# KiCad board GMWM Analysis Board.kicad_pcb
title: GMWM Analysis Board; date: 2026-07-16; rev: 2; company: James Rhodes
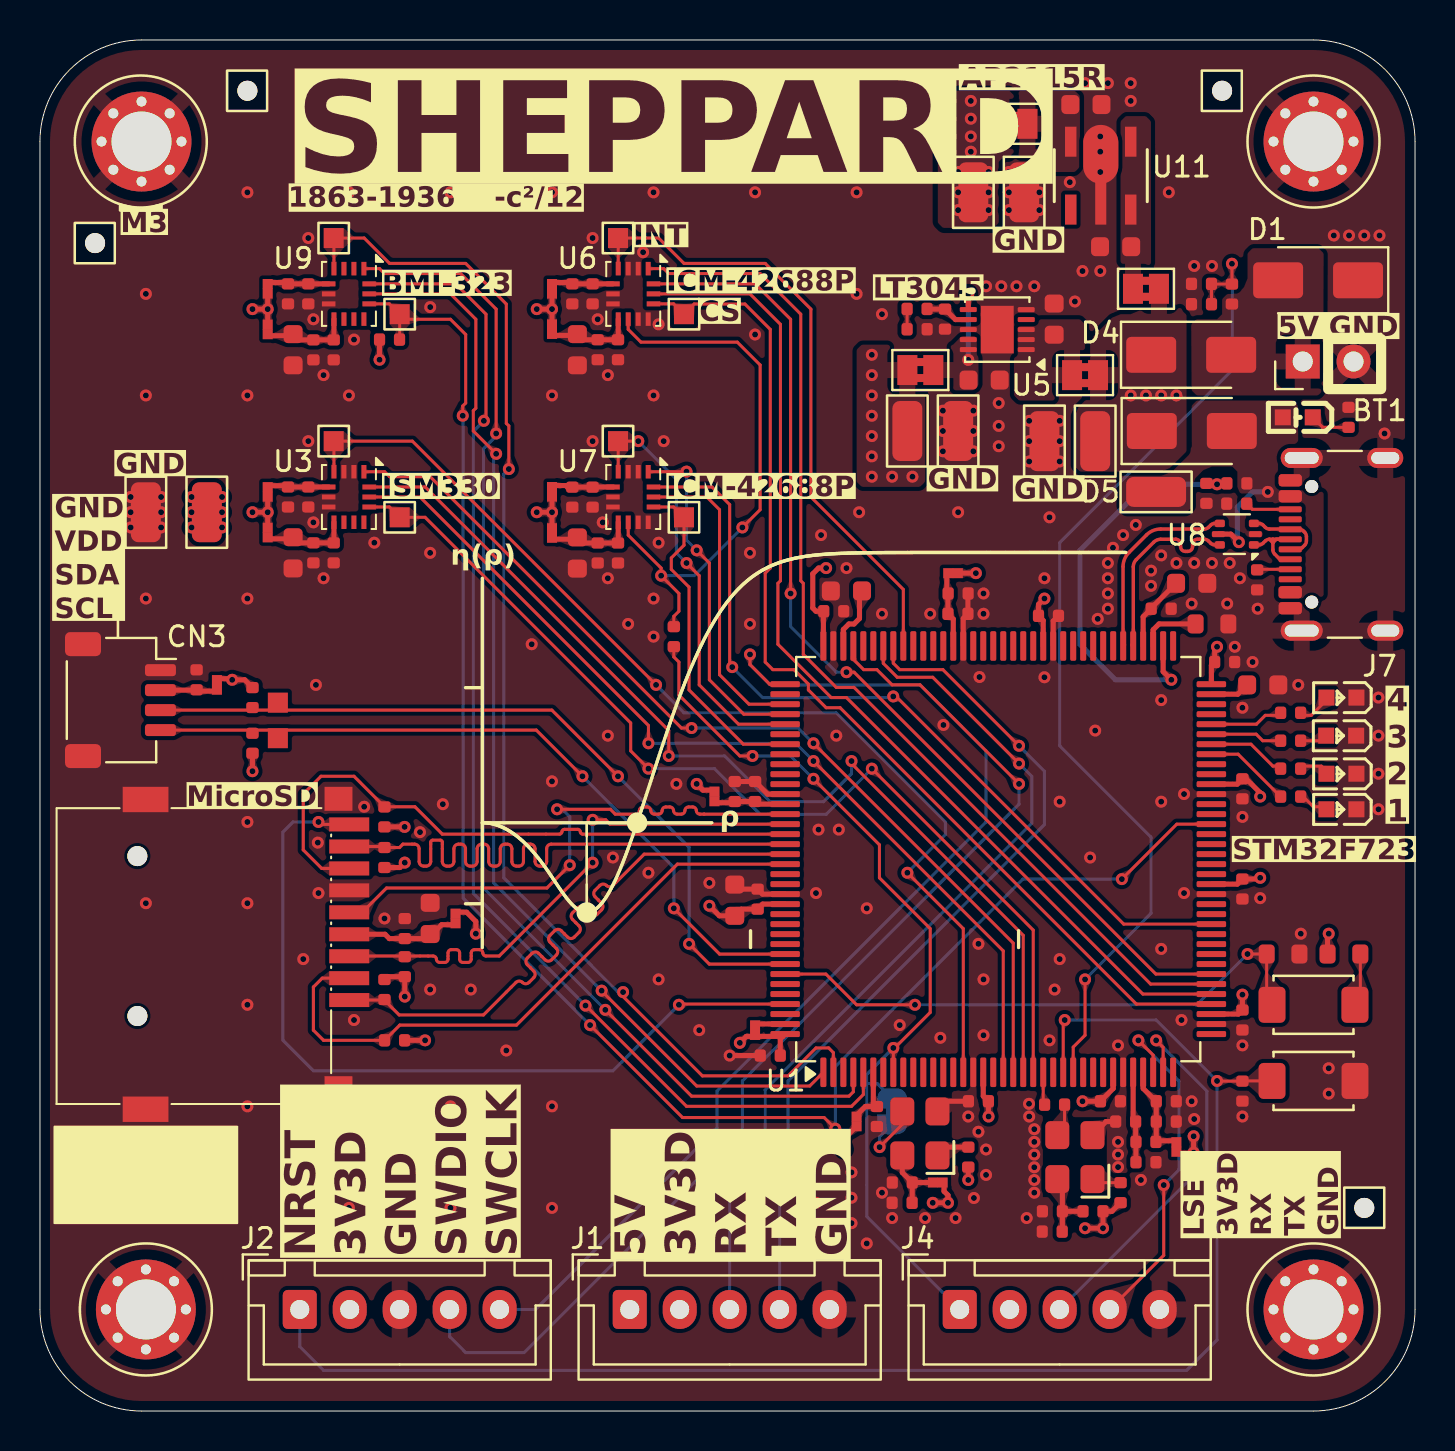
[diagram p0: board, top side]
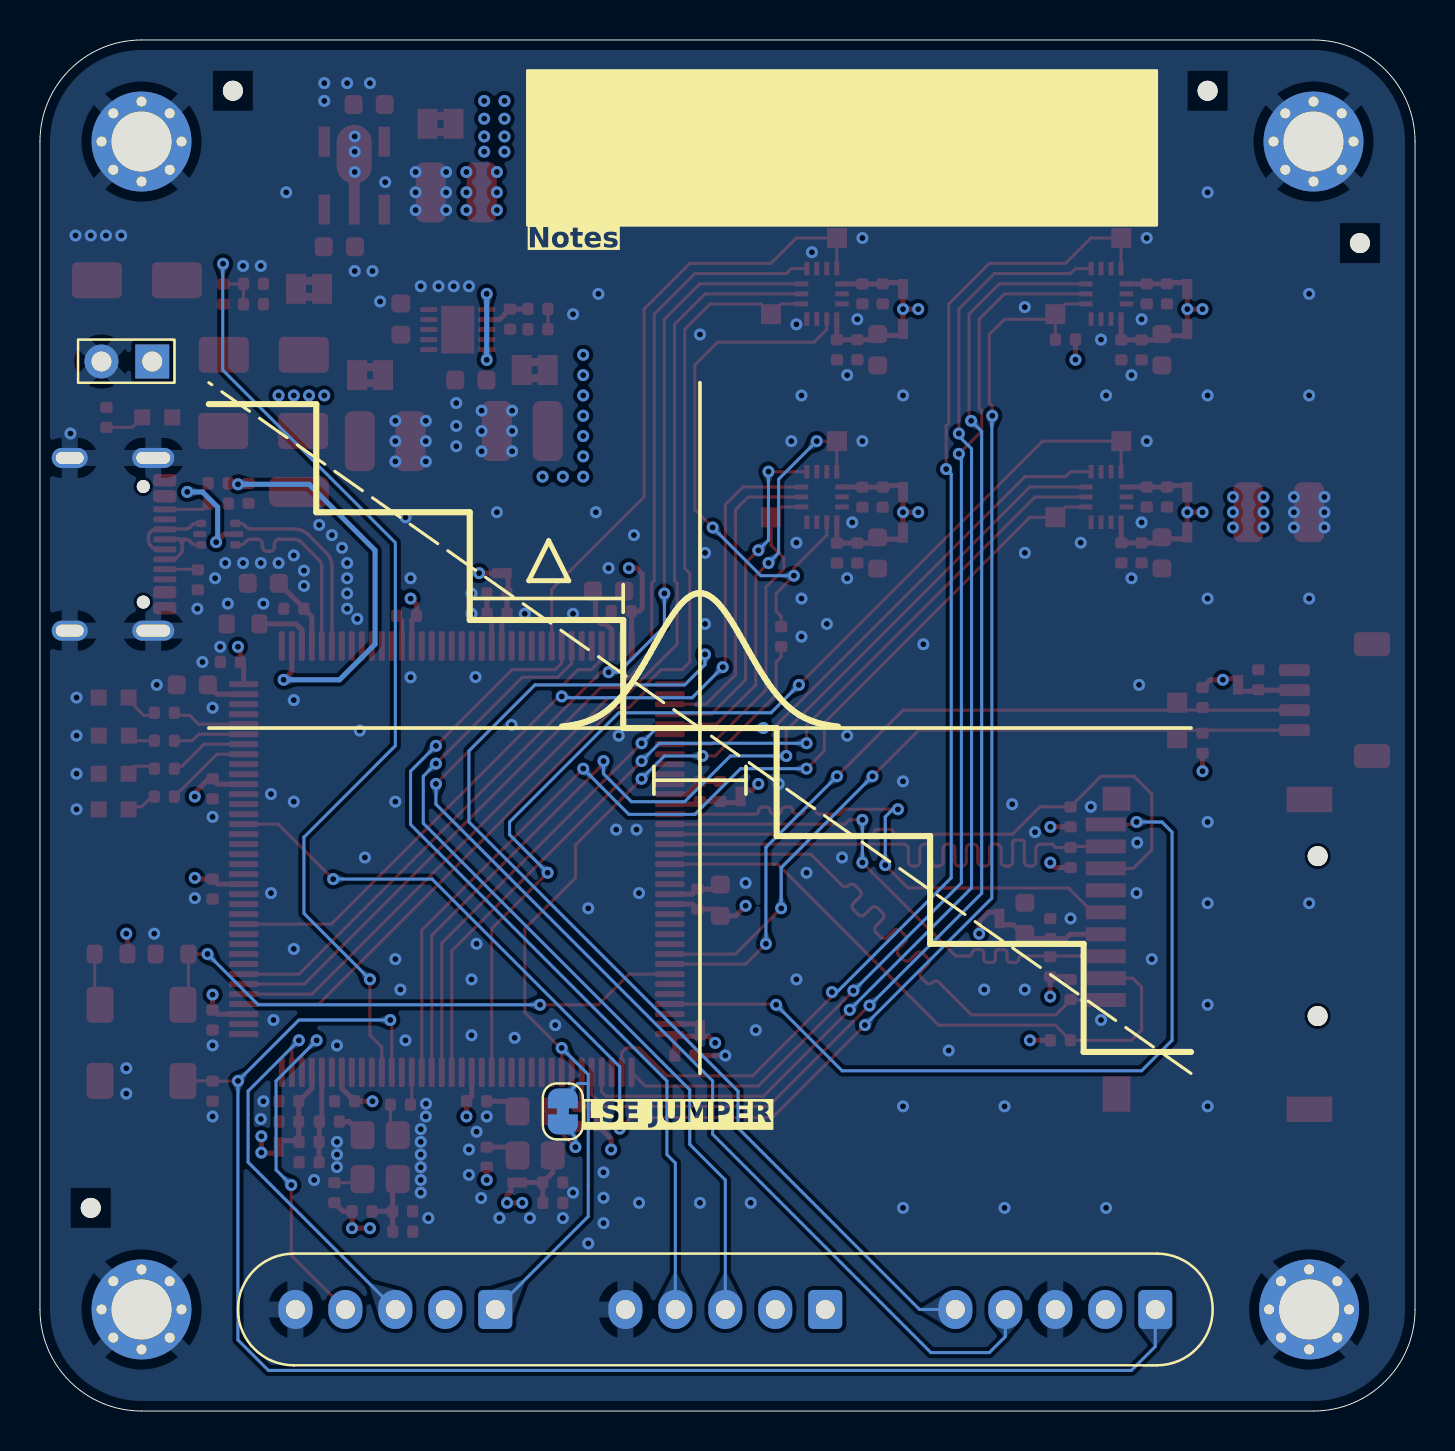
[diagram p1: board, bottom side, seen from below]

Outline 68.8 x 68.58 mm; copper layers: Top, In1.Cu, In2.Cu, Bottom. Coordinates in mm from the lower left corner of the outline.
Outline path: 0,63.5 0,5.08 arc(1.49,1.49) 5.08,0 63.72,0 arc(67.31,1.49) 68.8,5.08 68.8,63.5 arc(67.31,67.09) 63.72,68.58 5.08,68.58 arc(1.49,67.09) 0,63.5
Stack: Top 0.035mm / dielectric 0.1mm FR4 er 4.5 / In1.Cu 0.035mm / dielectric 1.24mm FR4 er 4.5 / In2.Cu 0.035mm / dielectric 0.1mm FR4 er 4.5 / Bottom 0.035mm

## Placement (name value [footprint] x y rotation side)
BT1  Battery  [PinHeader_1x02_P2.54mm_Vertical]  63.18 52.5 90 top
C1  100nF  [C_0402]  60.16 16 270 top
C2  100nF  [C_0402]  56.1 40.13 0 top
C3  1uF  [C_0402]  55.34 12.45 0 top
C4  2.2uF  [C_0603]  40.35 41.02 180 top
C5  2.2uF  [C_0603]  61.18 36.32 0 top
C6  2.2uF  [C_0603]  57.62 41.4 0 top
C7  100nF  [C_0402]  54.32 14.48 180 top
C8  100nF  [C_0402]  43.14 10.41 180 top
C9  10nF  [C_0402]  43.14 11.43 180 top
C10  100nF  [C_0402]  50.65 8.97 180 top
C11  10nF  [C_0402]  50.65 9.99 180 top
C12  10uF  [C_0603]  50.74 54.62 90 top
C13  10uF  [C_0603]  47.24 51.57 0 top
C14  470nF  [C_0402]  45.28 54.62 270 top
C15  100nF  [C_0402]  7.84 36.58 90 top
C16  100nF  [C_0402]  18.25 24.13 90 top
C17  2.2uF  [C_0603]  19.52 24.64 90 top
C18  4.7uF  [C_0603]  53.82 58.24 180 top
C19  100nF  [C_0402]  58.11 55.36 180 top
C20  4.7uF  [C_0603]  52.33 65.35 0 top
C21  100nF  [C_0402]  27.9 53.09 270 top
C22  100nF  [C_0402]  35.9 25.6 90 top
C23  100nF  [C_0402]  36.54 17.78 180 top
C24  100nF  [C_0402]  46.95 15.49 180 top
C25  100nF  [C_0402]  53.56 15.49 0 top
C26  100nF  [C_0402]  60.16 19.56 270 top
C27  100nF  [C_0402]  60.16 26.11 270 top
C28  100nF  [C_0402]  60.16 31.12 270 top
C29  100nF  [C_0402]  59.27 37.47 0 top
C30  100nF  [C_0402]  50.46 39.78 0 top
C31  100nF  [C_0402]  39.71 40 0 top
C32  2.2uF  [C_0603]  26.89 53.09 270 top
C33  4.7uF  [C_0603]  34.76 25.55 90 top
C34  10nF  [C_0402]  28.92 53.09 270 top
C35  1uF  [C_0402]  45.94 40.89 0 top
C36  100nF  [C_0402]  45.93 39.88 0 top
C37  1uF  [C_0402]  34.76 30.99 90 top
C38  100nF  [C_0402]  35.78 30.99 90 top
C39  1uF  [C_0402]  56.35 14.48 0 top
C40  100nF  [C_0402]  56.35 15.49 0 top
C41  100nF  [C_0402]  41.87 14.73 270 top
C42  100nF  [C_0402]  26.63 55.88 270 top
C43  10nF  [C_0402]  27.65 55.88 270 top
C44  2.2uF  [C_0603]  26.89 42.92 270 top
C45  100nF  [C_0402]  27.9 42.92 270 top
C46  10nF  [C_0402]  28.92 42.92 270 top
C47  100nF  [C_0402]  26.63 45.71 270 top
C48  10nF  [C_0402]  27.65 45.71 270 top
C49  2.2uF  [C_0603]  12.66 42.93 270 top
C50  10nF  [C_0402]  14.7 42.93 270 top
C51  100nF  [C_0402]  13.43 45.72 270 top
C52  100nF  [C_0402]  13.68 42.93 270 top
C53  100nF  [C_0402]  12.41 55.88 270 top
C54  10nF  [C_0402]  14.7 53.08 270 top
C55  100nF  [C_0402]  13.68 53.08 270 top
C56  2.2uF  [C_0603]  12.66 53.09 270 top
C57  10nF  [C_0402]  12.41 45.72 270 top
C58  10nF  [C_0402]  13.43 55.88 270 top
CN3  SM04B-SRSS-TB_LF_SN  [JST_SH_SM04B-SRSS-TB_1x04-1MP_P1.00mm_Horizontal]  4.03 35.56 270 top
D1  SMAJ12CA  [D_SMA]  63.95 56.56 180 top
D4  SS12  [D_SMA]  57.6 52.83 0 top
D5  SS12  [D_SMA]  57.63 49.02 0 top
H1  ~  [Hole_Tooling_JLCPCB]  59.15 66.04 0 top
H2  ~  [Hole_Tooling_JLCPCB]  10.38 66.04 0 top
H3  ~  [Hole_Tooling_JLCPCB]  2.76 58.42 0 top
H4  ~  [Hole_Tooling_JLCPCB]  66.26 10.16 0 top
H5  ~  [Hole, 3mm]  5.08 63.5 0 top
H6  ~  [Hole, 3mm]  63.72 63.5 0 top
H7  ~  [Hole, 3mm]  63.72 5.08 0 top
H8  ~  [Hole, 3mm]  5.3 5.08 0 top
J1  PINHD_1x5_Male  [JST_XH_B5B-XH-A_1x05_P2.50mm_Vertical]  29.51 5.08 0 top
J2  PINHD_1x5_Male  [JST_XH_B5B-XH-A_1x05_P2.50mm_Vertical]  13 5.08 0 top
J3  -  [TF-015]  10.38 22.86 270 top
J4  PINHD_1x5_Male  [JST_XH_B5B-XH-A_1x05_P2.50mm_Vertical]  46.02 5.08 0 top
J7  KH-TYPE-C-16P  [USB_C_Receptacle_GCT_USB4105-xx-A_16P_TopMnt_Horizontal]  66.23 43.35 90 top
JP1  SolderJumper_2_Bridged  [SolderJumper-2_P1.3mm_Bridged_RoundedPad1.0x1.5mm]  42.64 14.99 270 bottom
LED6  -  [KT-0603R]  62.93 49.7 180 top
LED7  -  [0603_Green_509-620mcd]  65.11 30.1 180 top
LED8  -  [0603_Green_509-620mcd]  65.11 31.88 180 top
LED9  -  [0603_Green_509-620mcd]  65.1 33.78 180 top
LED10  -  [0603_Green_509-620mcd]  65.11 35.69 180 top
R1  10kΩ  [R_0603]  62.19 22.86 0 top
R2  1kΩ  [R_0603]  65.24 22.86 180 top
R3  3kΩ  [R_0603]  58.64 39.37 0 top
R4  47Ω  [R_0402]  55.34 13.46 0 top
R5  10kΩ  [R_0402]  46.45 12.7 270 top
R6  33Ω  [R_0402]  50.76 15.32 180 top
R7  10Ω  [R_0402]  52.69 9.99 180 top
R8  10kΩ  [R_0402]  54.07 10.92 270 top
R9  33kΩ  [R_0402]  43.88 55.13 180 top
R10  200Ω  [R_0402]  43.88 54.11 0 top
R11  5.1kΩ  [R_0402]  60.9 41.58 270 top
R12  5.1kΩ  [R_0402]  59.88 45.39 180 top
R13  33kΩ  [R_0402]  59.88 46.4 180 top
R14  100kΩ  [R_0402]  58.36 45.9 270 top
R15  100kΩ  [R_0402]  59.64 55.87 90 top
R16  330Ω  [R_0402]  62.57 30.73 0 top
R17  330Ω  [R_0402]  62.57 32.13 0 top
R18  330Ω  [R_0402]  62.57 33.53 0 top
R19  330Ω  [R_0402]  62.57 34.92 0 top
R20  10kΩ  [R_0402]  17.49 53.59 0 top
R21  47kΩ  [R_0402]  17.24 21.08 270 top
R22  47kΩ  [R_0402]  17.74 18.54 180 top
R23  47kΩ  [R_0402]  18.25 22.22 90 top
R24  47kΩ  [R_0402]  17.24 29.72 90 top
R25  47kΩ  [R_0402]  17.24 27.69 90 top
R26  470Ω  [R_0402]  65.47 49.7 90 top
R27  100kΩ  [R_0402]  58.11 56.38 180 top
R28  4.7kΩ  [R_0402]  10.63 33.4 90 top
R29  4.7kΩ  [R_0402]  10.63 35.69 270 top
R30  33Ω  [R_0402]  31.71 38.73 270 top
S1  Tactile Button, 160gf  [SW_TS-1088-AR02016]  63.72 16.51 0 top
S2  Tactile Button, 160gf  [SW_TS-1088-AR02016]  63.72 20.32 0 top
TIE2  NetTie  [JUMPER_SMD_1x2_tiny_shorted]  56.86 13.21 90 top
TIE3  NetTie  [JUMPER_SMD_1x2_tiny_shorted]  33.75 30.74 270 top
TIE4  NetTie  [JUMPER_SMD_1x2_tiny_shorted]  45.68 41.91 180 top
TIE5  NetTie  [JUMPER_SMD_1x2_tiny_shorted]  35.78 19.05 270 top
TIE6  NetTie  [JUMPER_SMD_1x2_tiny_shorted]  44.92 11.43 0 top
TIE7  NetTie  [JUMPER_SMD_1x2_tiny_shorted]  40.86 14.48 90 top
TIE8  NetTie  [JUMPER_SMD_1x2_tiny_shorted]  25.62 54.12 90 top
TIE9  NetTie  [JUMPER_SMD_1x2_tiny_shorted]  25.62 56.13 270 top
TIE10  NetTie  [JUMPER_SMD_1x2_tiny_shorted]  25.62 43.92 90 top
TIE11  NetTie  [JUMPER_SMD_1x2_tiny_shorted]  25.62 45.98 270 top
TIE12  NetTie  [SolderJumper-2_P1.3mm_Bridged2Bar_Pad1.0x1.5mm#2]  55.34 56.13 0 top
TIE13  NetTie  [SolderJumper-2_P1.3mm_Bridged2Bar_Pad1.0x1.5mm#2]  48.76 64.39 180 top
TIE14  NetTie  [JUMPER_SMD_1x2_tiny_shorted]  8.85 36.32 90 top
TIE15  NetTie  [SolderJumper-2_P1.3mm_Bridged2Bar_Pad1.0x1.5mm]  52.29 51.82 0 top
TIE16  NetTie  [SolderJumper-2_P1.3mm_Bridged2Bar_Pad1.0x1.5mm#2]  44.05 52.07 180 top
TIE17  NetTie  [JUMPER_SMD_1x2_tiny_shorted]  20.79 24.64 270 top
TIE18  NetTie  [JUMPER_SMD_1x2_tiny_shorted]  11.39 43.94 90 top
TIE19  NetTie  [JUMPER_SMD_1x2_tiny_shorted]  11.39 45.97 270 top
TIE20  NetTie  [JUMPER_SMD_1x2_tiny_shorted]  11.39 56.13 270 top
TIE21  NetTie  [JUMPER_SMD_1x2_tiny_shorted]  11.39 54.1 90 top
TP5  TestPoint_Probe  [SolderWirePad_1x01_SMD_1.5x3mm]  55.84 45.97 90 top
TP6  TestPoint_Probe  [SolderWirePad_1x01_SMD_1.5x3mm]  50.26 48.51 0 top
TP7  TestPoint_Probe  [SolderWirePad_1x01_SMD_1.5x3mm]  52.8 48.51 0 top
TP8  TestPoint_Probe  [SolderWirePad_1x01_SMD_1.5x3mm]  45.94 49.02 180 top
TP9  TestPoint_Probe  [SolderWirePad_1x01_SMD_1.5x3mm]  43.4 49.02 180 top
TP10  TestPoint_Probe  [SolderWirePad_1x01_SMD_1.5x3mm]  49.24 60.96 180 top
TP13  TestPoint_Probe  [SolderWirePad_1x01_SMD_1.5x3mm]  46.7 60.96 0 top
TP15  TestPoint_Probe  [TestPoint_Pad_04]  28.92 58.67 0 top
TP17  TestPoint_Probe  [TestPoint_Pad_04]  28.92 48.51 0 top
TP24  TestPoint_Probe  [SolderWirePad_1x01_SMD_1.5x3mm]  5.3 44.96 0 top
TP25  TestPoint_Probe  [SolderWirePad_1x01_SMD_1.5x3mm]  8.35 44.96 0 top
TP26  TestPoint_Probe  [TestPoint_Pad_04]  14.7 48.51 0 top
TP27  TestPoint_Probe  [TestPoint_Pad_04]  14.7 58.67 0 top
TP28  TestPoint_Probe  [TestPoint_Pad_04]  32.22 44.7 0 top
TP29  TestPoint_Probe  [TestPoint_Pad_04]  32.22 54.86 0 top
TP30  TestPoint_Probe  [TestPoint_Pad_04]  18 44.7 0 top
TP31  TestPoint_Probe  [TestPoint_Pad_04]  18 54.86 0 top
TP32  TestPoint_Probe  [TestPoint_Pad_04]  11.9 33.66 0 top
TP33  TestPoint_Probe  [TestPoint_Pad_04]  11.9 35.43 0 top
U1  STM32F723ZET6  [LQFP-144_20x20mm_P0.5mm]  47.95 27.61 90 top
U2  1532H4-32K768JWPDTSNL  [OSC-SMD_4P-L3.2-W2.5-BL]  44.02 13.89 90 top
U3  ISM330DHCX  [Bosch_LGA-14_3x2.5mm_P0.5mm]  15.46 45.72 270 top
U5  LT3045EDD  [DFN-10-1EP_3x3mm_P0.5mm_EP1.65x2.38mm]  47.9 54.09 180 top
U6  ICM-42688-P  [Bosch_LGA-14_3x2.5mm_P0.5mm]  29.68 55.88 270 top
U7  ICM-42688-P  [Bosch_LGA-14_3x2.5mm_P0.5mm]  29.68 45.72 270 top
U8  USBLC6-2P6  [SOT-666]  59.88 43.86 180 top
U9  BMI323  [Bosch_LGA-14_3x2.5mm_P0.5mm]  15.46 55.88 270 top
U11  AP2115R5-3.3TRG1  [AP2115R5-3_3TRG1]  53.07 61.79 270 top
X1  ASDM1-24_000MHZ-LC-T  [OSC-SMD_4P-L3.2-W2.5-BL]  51.78 12.7 90 top

## Library data of the parts
BT1 = -: Description: Multiple-cell battery; KiLib_Generator: connector/pin_header_socket; Sim.Device: V; Sim.Type: DC; Sim.Pins: 1=+ 2=-; LCSC: C225477
C1 C2 C7 C8 C10 C15 C16 C19 C21-C31 C36 C38 C40-C42 C45 C47 C51-C53 C55 = -: Datasheet: https://www.lcsc.com/datasheet/lcsc_datasheet_2304140030_Samsung-Electro-Mechanics-CL05B104KO5NNNC_C1525.pdf; Description: 16V 100nF X7R ±10% 0402 Multilayer Ceramic Capacitors MLCC - SMD/SMT ROHS; LCSC: C1525; Stock: 20208285; Price: 0.004USD; Process: SMT; Minimum Qty: 20; Attrition Qty: 10; Class: Basic Component; Category: Capacitors,Multilayer Ceramic Capacitors MLCC - SMD/SMT; Manufacturer: Samsung Electro-Mechanics; Part: CL05B104KO5NNNC; Voltage Rated: 16V; Tolerance: ±10%; Temperature Coefficient: X7R; ki_fp_filters: C_*
C3 C35 C37 C39 = -: Datasheet: https://www.lcsc.com/datasheet/lcsc_datasheet_2304140030_Samsung-Electro-Mechanics-CL05A105KA5NQNC_C52923.pdf; Description: 25V 1uF X5R ±10% 0402 Multilayer Ceramic Capacitors MLCC - SMD/SMT ROHS; LCSC: C52923; Stock: 7021828; Price: 0.006USD; Process: SMT; Minimum Qty: 20; Attrition Qty: 10; Class: Basic Component; Category: Capacitors,Multilayer Ceramic Capacitors MLCC - SMD/SMT; Manufacturer: Samsung Electro-Mechanics; Part: CL05A105KA5NQNC; Voltage Rated: 25V; Tolerance: ±10%; Temperature Coefficient: X5R; ki_fp_filters: C_*
C4-C6 C17 C32 C44 C49 C56 = -: Datasheet: https://www.lcsc.com/datasheet/lcsc_datasheet_2304140030_Samsung-Electro-Mechanics-CL10A225KO8NNNC_C23630.pdf; Description: 16V 2.2uF X5R ±10% 0603 Multilayer Ceramic Capacitors MLCC - SMD/SMT ROHS; LCSC: C23630; Stock: 2585089; Price: 0.009USD; Process: SMT; Minimum Qty: 20; Attrition Qty: 10; Class: Basic Component; Category: Capacitors,Multilayer Ceramic Capacitors MLCC - SMD/SMT; Manufacturer: Samsung Electro-Mechanics; Part: CL10A225KO8NNNC; Voltage Rated: 16V; Tolerance: ±10%; Temperature Coefficient: X5R; ki_fp_filters: C_*
C9 C11 C34 C43 C46 C48 C50 C54 C57 C58 = -: Datasheet: https://www.lcsc.com/datasheet/lcsc_datasheet_2304140030_Samsung-Electro-Mechanics-CL05B103KB5NNNC_C15195.pdf; Description: 50V 10nF X7R ±10% 0402 Multilayer Ceramic Capacitors MLCC - SMD/SMT ROHS; LCSC: C15195; Stock: 4779042; Price: 0.005USD; Process: SMT; Minimum Qty: 20; Attrition Qty: 10; Class: Basic Component; Category: Capacitors,Multilayer Ceramic Capacitors MLCC - SMD/SMT; Manufacturer: Samsung Electro-Mechanics; Part: CL05B103KB5NNNC; Voltage Rated: 50V; Tolerance: ±10%; Temperature Coefficient: X7R; ki_fp_filters: C_*
C12 C13 = -: Datasheet: https://www.lcsc.com/datasheet/lcsc_datasheet_2304140030_Samsung-Electro-Mechanics-CL10A106KP8NNNC_C19702.pdf; Description: 10V 10uF X5R ±10% 0603 Multilayer Ceramic Capacitors MLCC - SMD/SMT ROHS; LCSC: C19702; Stock: 9881407; Price: 0.009USD; Process: SMT; Minimum Qty: 20; Attrition Qty: 10; Class: Basic Component; Category: Capacitors,Multilayer Ceramic Capacitors MLCC - SMD/SMT; Manufacturer: Samsung Electro-Mechanics; Part: CL10A106KP8NNNC; Voltage Rated: 10V; Tolerance: ±10%; Temperature Coefficient: X5R; ki_fp_filters: C_*
C14 = -: Datasheet: https://www.lcsc.com/datasheet/lcsc_datasheet_2304140030_Samsung-Electro-Mechanics-CL05A474KP5NNNC_C47339.pdf; Description: 10V 470nF X5R ±10% 0402 Multilayer Ceramic Capacitors MLCC - SMD/SMT ROHS; LCSC: C47339; Stock: 84633; Price: 0.007USD; Process: SMT; Minimum Qty: 20; Attrition Qty: 12; Class: Preferred Component; Category: Capacitors,Multilayer Ceramic Capacitors MLCC - SMD/SMT; Manufacturer: Samsung Electro-Mechanics; Part: CL05A474KP5NNNC; Voltage Rated: 10V; Tolerance: ±10%; Temperature Coefficient: X5R; ki_fp_filters: C_*
C18 C20 C33 = -: Datasheet: https://www.lcsc.com/datasheet/lcsc_datasheet_2304140030_Samsung-Electro-Mechanics-CL10A475KO8NNNC_C19666.pdf; Description: 16V 4.7uF X5R ±10% 0603 Multilayer Ceramic Capacitors MLCC - SMD/SMT ROHS; LCSC: C19666; Stock: 4246728; Price: 0.013USD; Process: SMT; Minimum Qty: 20; Attrition Qty: 10; Class: Basic Component; Category: Capacitors,Multilayer Ceramic Capacitors MLCC - SMD/SMT; Manufacturer: Samsung Electro-Mechanics; Part: CL10A475KO8NNNC; Voltage Rated: 16V; Tolerance: ±10%; Temperature Coefficient: X5R; ki_fp_filters: C_*
CN3 = -: Datasheet: https://www.lcsc.com/datasheet/lcsc_datasheet_2304140030_JST-SM04B-SRSS-TB-LF-SN_C160404.pdf; Description: -25℃~+85℃ 1 1A 1mm 1x4P 2.9mm 4 4.32mm 4P 50V 6mm Auxiliary Solder Pin Copper alloy PA SH Surface Mount, Right Angle Tin UL94V-0 White SMD,P=1mm,卧贴 Wire To Board Connector ROHS; KiLib_Generator: connector/SMD_single_row_plus_mounting_pad; LCSC: C160404; Manufacturer: JST; Manufacturer Part: SM04B-SRSS-TB(LF)(SN)
D1 = -: Datasheet: https://www.littelfuse.com/media?resourcetype=datasheets&itemid=75e32973-b177-4ee3-a0ff-cedaf1abdb93&filename=smaj-datasheet; Description: 400W bidirectional Transient Voltage Suppressor, 12.0Vr, SMA(DO-214AC); LCSC: C83267; ki_fp_filters: D*SMA*
D4 D5 = -: Datasheet: https://www.vishay.com/docs/88746/ss12.pdf; Description: 20V 1A Schottky Diode, SMA; LCSC: C2479; ki_fp_filters: D*SMA*
H1-H4 = -: Datasheet: https://jlcpcb.com/help/article/How-to-add-tooling-holes-for-PCB-assembly-order; Description: 1. Two or three tooling holes should be added on the PCB, they should be placed in opposite corners of the PCB and as far apart from one another as practical. 2. Tooling holes should be 1.152mm(45.4mil) round non-plated holes with 0.148mm solder mask expansion. 3. Tooling holes are only required for PCB assembly orders. 4. Please try to add tooling holes on empty space and keep them away from traces. If there is no enough room, you can add them to the copper area.
J1 J2 J4 = -: Description: Pin Header male with pin space 2.54mm. Pin Count -5; KiLib_Generator: connector/JST; LCSC: C51940193; ki_fp_filters: PinHeader_1x05_P2.54mm*
J3 = -: Datasheet: https://jlcpcb.com/partdetail/SOFNG-TF015/C113206; Description: Micro SD Card Socket; LCSC: C113206; ki_fp_filters: microSD*
J7 = -: Datasheet: https://www.usb.org/sites/default/files/documents/usb_type-c.zip; Description: USB 2.0-only 16P Type-C Receptacle connector; LCSC: C709357; ki_fp_filters: USB*C*Receptacle*
JP1 = -: Description: Solder Jumper, 2-pole, closed/bridged; ki_fp_filters: SolderJumper*Bridged*
LED6 = -: Datasheet: https://www.lcsc.com/datasheet/lcsc_datasheet_1810231112_Hubei-KENTO-Elec-KT-0603R_C2286.pdf; Description: -40℃~+85℃ 1.6mm x 0.8mm square LED 1.8V~2.4V 120° 20mA 300mcd 40mW 615nm~630nm 645nm Discrete Diode Red Water Clear 0603 LED Indication - Discrete ROHS; LCSC: C2286; Manufacturer: Hubei KENTO Elec
LED7-LED10 = -: Datasheet: https://www.lcsc.com/datasheet/lcsc_datasheet_1806151818_Hubei-KENTO-Elec-KT-0603G_C12624.pdf; Description: -40℃~+85℃ 1.6mm x 0.8mm square LED 100mW 120° 3.1V 430mcd 513nm~528nm 525nm 5mA Discrete Diode Emerald Green Water Clear 0603 LED Indication - Discrete ROHS; LCSC: C12624; Manufacturer: Hubei KENTO Elec; Manufacturer Part: KT-0603G
R1 = -: Datasheet: https://www.lcsc.com/datasheet/lcsc_datasheet_2206010045_UNI-ROYAL-Uniroyal-Elec-0603WAF1002T5E_C25804.pdf; Description: 100mW Thick Film Resistors 75V ±100ppm/°C ±1% 10kΩ 0603 Chip Resistor - Surface Mount ROHS; LCSC: C25804; Stock: 51181774; Price: 0.004USD; Process: SMT; Minimum Qty: 20; Attrition Qty: 10; Class: Basic Component; Category: Resistors,Chip Resistor - Surface Mount; Manufacturer: UNI-ROYAL(Uniroyal Elec); Part: 0603WAF1002T5E; Power(Watts): 100mW; Type: Thick Film Resistors; Overload Voltage (Max): 75V; Operating Temperature Range: -55°C~+155°C; Tolerance: ±1%; Temperature Coefficient: ±100ppm/°C; ki_fp_filters: R_*
R2 = -: Datasheet: https://www.lcsc.com/datasheet/lcsc_datasheet_2206010130_UNI-ROYAL-Uniroyal-Elec-0603WAF1001T5E_C21190.pdf; Description: 100mW Thick Film Resistors 75V ±100ppm/°C ±1% 1kΩ 0603 Chip Resistor - Surface Mount ROHS; LCSC: C21190; Stock: 27538425; Price: 0.004USD; Process: SMT; Minimum Qty: 20; Attrition Qty: 10; Class: Basic Component; Category: Resistors,Chip Resistor - Surface Mount; Manufacturer: UNI-ROYAL(Uniroyal Elec); Part: 0603WAF1001T5E; Power(Watts): 100mW; Type: Thick Film Resistors; Overload Voltage (Max): 75V; Operating Temperature Range: -55°C~+155°C; Tolerance: ±1%; Temperature Coefficient: ±100ppm/°C; ki_fp_filters: R_*
R3 = -: Datasheet: https://www.lcsc.com/datasheet/lcsc_datasheet_2206010230_UNI-ROYAL-Uniroyal-Elec-0603WAF3001T5E_C4211.pdf; Description: 100mW Thick Film Resistors 75V ±100ppm/°C ±1% 3kΩ 0603 Chip Resistor - Surface Mount ROHS; LCSC: C4211; Stock: 5406016; Price: 0.004USD; Process: SMT; Minimum Qty: 20; Attrition Qty: 10; Class: Basic Component; Category: Resistors,Chip Resistor - Surface Mount; Manufacturer: UNI-ROYAL(Uniroyal Elec); Part: 0603WAF3001T5E; Power(Watts): 100mW; Type: Thick Film Resistors; Overload Voltage (Max): 75V; Operating Temperature Range: -55°C~+155°C; Tolerance: ±1%; Temperature Coefficient: ±100ppm/°C; ki_fp_filters: R_*
R4 = -: Datasheet: https://www.lcsc.com/datasheet/lcsc_datasheet_2205311900_UNI-ROYAL-Uniroyal-Elec-0402WGF470JTCE_C25118.pdf; Description: 62.5mW Thick Film Resistors 50V ±1% ±200ppm/°C 47Ω 0402 Chip Resistor - Surface Mount ROHS; LCSC: C25118; Stock: 468126; Price: 0.004USD; Process: SMT; Minimum Qty: 20; Attrition Qty: 12; Class: Preferred Component; Category: Resistors,Chip Resistor - Surface Mount; Manufacturer: UNI-ROYAL(Uniroyal Elec); Part: 0402WGF470JTCE; Power(Watts): 62.5mW; Type: Thick Film Resistors; Overload Voltage (Max): 50V; Operating Temperature Range: -55°C~+155°C; Tolerance: ±1%; Temperature Coefficient: ±200ppm/°C; ki_fp_filters: R_*
R5 R8 R20 = -: Datasheet: https://www.lcsc.com/datasheet/lcsc_datasheet_2411221126_UNI-ROYAL-Uniroyal-Elec-0402WGF1002TCE_C25744.pdf; Description: 62.5mW Thick Film Resistors 50V ±100ppm/°C ±1% 10kΩ 0402 Chip Resistor - Surface Mount ROHS; LCSC: C25744; Stock: 24372091; Price: 0.004USD; Process: SMT; Minimum Qty: 20; Attrition Qty: 10; Class: Basic Component; Category: Resistors,Chip Resistor - Surface Mount; Manufacturer: UNI-ROYAL(Uniroyal Elec); Part: 0402WGF1002TCE; Power(Watts): 62.5mW; Type: Thick Film Resistors; Overload Voltage (Max): 50V; Operating Temperature Range: -55°C~+155°C; Tolerance: ±1%; Temperature Coefficient: ±100ppm/°C; ki_fp_filters: R_*
R6 R30 = -: Datasheet: https://www.lcsc.com/datasheet/lcsc_datasheet_2205311900_UNI-ROYAL-Uniroyal-Elec-0402WGF330JTCE_C25105.pdf; Description: 62.5mW Thick Film Resistors 50V ±100ppm/°C ±1% 33Ω 0402 Chip Resistor - Surface Mount ROHS; LCSC: C25105; Stock: 2122900; Price: 0.004USD; Process: SMT; Minimum Qty: 20; Attrition Qty: 10; Class: Basic Component; Category: Resistors,Chip Resistor - Surface Mount; Manufacturer: UNI-ROYAL(Uniroyal Elec); Part: 0402WGF330JTCE; Power(Watts): 62.5mW; Type: Thick Film Resistors; Overload Voltage (Max): 50V; Operating Temperature Range: -55°C~+155°C; Tolerance: ±1%; Temperature Coefficient: ±100ppm/°C; ki_fp_filters: R_*
R7 = -: Datasheet: https://www.lcsc.com/datasheet/lcsc_datasheet_2411221126_UNI-ROYAL-Uniroyal-Elec-0402WGF100JTCE_C25077.pdf; Description: 62.5mW Thick Film Resistors 50V ±1% ±200ppm/°C 10Ω 0402 Chip Resistor - Surface Mount ROHS; LCSC: C25077; Stock: 4873481; Price: 0.004USD; Process: SMT; Minimum Qty: 20; Attrition Qty: 10; Class: Basic Component; Category: Resistors,Chip Resistor - Surface Mount; Manufacturer: UNI-ROYAL(Uniroyal Elec); Part: 0402WGF100JTCE; Power(Watts): 62.5mW; Type: Thick Film Resistors; Overload Voltage (Max): 50V; Operating Temperature Range: -55°C~+155°C; Tolerance: ±1%; Temperature Coefficient: ±200ppm/°C; ki_fp_filters: R_*
R9 R13 = -: Datasheet: https://www.lcsc.com/datasheet/lcsc_datasheet_2206010100_UNI-ROYAL-Uniroyal-Elec-0402WGF3302TCE_C25779.pdf; Description: 62.5mW Thick Film Resistors 50V ±100ppm/°C ±1% 33kΩ 0402 Chip Resistor - Surface Mount ROHS; LCSC: C25779; Stock: 1069887; Price: 0.004USD; Process: SMT; Minimum Qty: 20; Attrition Qty: 10; Class: Basic Component; Category: Resistors,Chip Resistor - Surface Mount; Manufacturer: UNI-ROYAL(Uniroyal Elec); Part: 0402WGF3302TCE; Power(Watts): 62.5mW; Type: Thick Film Resistors; Overload Voltage (Max): 50V; Operating Temperature Range: -55°C~+155°C; Tolerance: ±1%; Temperature Coefficient: ±100ppm/°C; ki_fp_filters: R_*